# Altium PCB AVCI_Mk1.PcbDoc (part 4 of 4)
Units mm, origin at the board's own origin, x right, y up, seen from the top; angles counter-clockwise.
Board outline 166.62 x 63.88 mm, 4 copper layers (Top Layer, GND, Power, Bottom Layer), stack 1.586 mm thick; 240 components, 214 nets, 1045 pads, 618 vias.
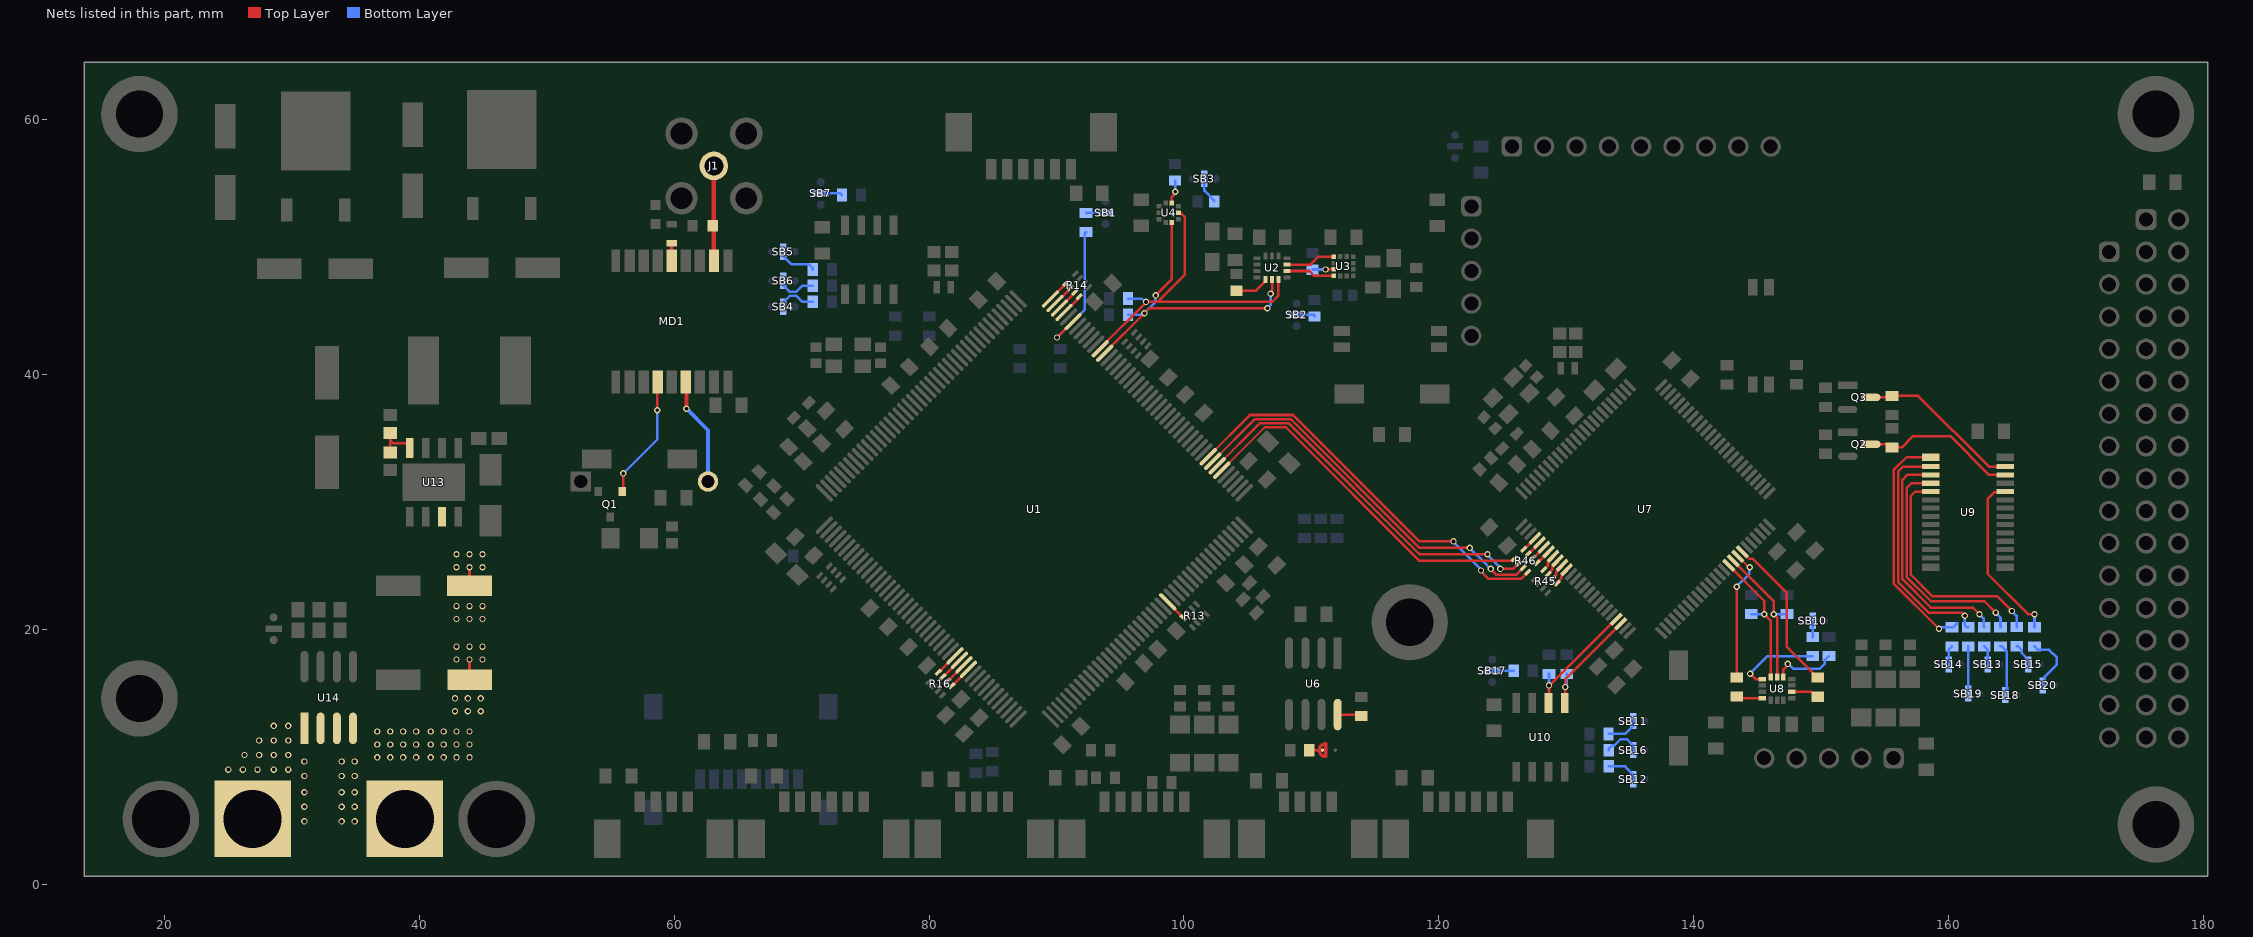
[diagram p6: the nets of this part, all layers, seen from the top]

## Via types
v1: diameter 0.5, hole 0.3, Top Layer to Bottom Layer, 609 vias
v2: diameter 0.5, hole 0.2, Top Layer to Bottom Layer, 8 vias
v3: diameter 0.5/0.5/0.5/0.5 (per signal layer), hole 0.3, Top Layer to Bottom Layer, 1 vias

## Nets (pads, with @x,y where several pads share a name; then routed paths per layer and width w, separated by ;. In a path a pad name is that pad's centre, name@x,y a point inside that pad or via, vN(x,y) a via of type N, cw(c..) or ccw(c..) an arc to the next point about the centre after c; other vN are vias at no path point) (continued)
NetR13_8: R13.8 U1.115 | length 1.8
  Top Layer w0.2: U1.115@98.73,22.181 98.73,22.155 99.936,20.949 R13.8@99.936,20.923
NetR14_5: R14.5 U1.176 | length 1.7
  Top Layer w0.2: U1.176@89.538,45.94 89.538,45.967 90.733,47.162 R14.5@90.733,47.189
NetR14_6: R14.6 U1.175 | length 1.7
  Top Layer w0.2: U1.175@89.891,45.586 90.972,46.666 90.972,46.721 R14.6@91.086,46.836
NetR14_7: R14.7 U1.174 | length 1.7
  Top Layer w0.2: U1.174@90.245,45.232 90.245,45.26 91.44,46.455 R14.7@91.44,46.482
NetR14_8: R14.8 U1.173 | length 1.7
  Top Layer w0.2: U1.173@90.598,44.879 91.679,45.959 91.679,46.014 R14.8@91.794,46.128
NetR15_1: R15.1 U1.171 | length 11
  Top Layer w0.2: v1(90.043,42.926) 90.051,42.926 91.297,44.172 U1.171@91.306,44.172
  Bottom Layer w0.2: v1(90.043,42.926) 92.229,45.112 92.229,51.093 R15.1@92.329,51.193
NetR15_2: R15.2 SB1.3 | length 1.5
  Bottom Layer w0.2: R15.2@92.329,52.693 92.341,52.705 SB1.3@93.853,52.705
NetR16_5: R16.5 U1.77 | length 1.6
  Top Layer w0.2: R16.5@81.995,15.756 81.995,15.763 83.103,16.871 U1.77@83.103,16.877
NetR16_6: R16.6 U1.76 | length 1.6
  Top Layer w0.2: R16.6@81.641,16.109 81.641,16.116 82.75,17.224 U1.76@82.75,17.231
NetR16_7: R16.7 U1.75 | length 1.6
  Top Layer w0.2: R16.7@81.288,16.463 81.288,16.47 82.396,17.578 U1.75@82.396,17.585
NetR16_8: R16.8 U1.74 | length 1.6
  Top Layer w0.2: R16.8@80.934,16.817 80.934,16.823 82.042,17.931 U1.74@82.042,17.938
NetR24_1: R24.1 U1.164 U2.13 U4.2 | length 26
  Top Layer w0.2: U1.164@93.78,41.697 93.78,41.704 96.901,44.824 v1(96.901,44.831) 97.282,45.212 v1@106.537,45.212 ; v1(97.79,46.228) 99.06,47.498 U4.2@99.06,51.943 ; v1(106.807,46.355) 106.807,46.436 106.925,46.554 106.925,47.455 U2.13@106.916,47.464
  Bottom Layer w0.2: R24.1@95.619,44.704 96.693,44.704 96.82,44.831 v1(96.901,44.831) 97.748,45.678 97.748,46.186 v1(97.79,46.228) ; v1(106.553,45.212) 106.553,45.225 106.807,45.479 v1(106.807,46.355)
NetR25_1: R25.1 U1.165 U2.14 U4.4 | length 26.7
  Top Layer w0.2: U1.165@93.427,42.051 93.427,42.078 97.028,45.679 v1(97.028,45.72) 97.947,45.72 ; U4.4@99.573,52.706 99.648,52.63 99.821,52.63 100.076,52.376 100.076,47.849 97.947,45.72 ; U2.14@107.416,47.464 107.416,46.202 106.934,45.72 97.947,45.72
  Bottom Layer w0.2: R25.1@95.619,45.974 96.693,45.974 96.947,45.72 v1(97.028,45.72)
NetR31_1: R31.1 U3.3 | length 1.7
  Top Layer w0.2: v1(111.125,48.26) 111.127,48.262 111.757,48.262 U3.3@111.759,48.264
  Bottom Layer w0.2: R31.1@110.109,48.245 110.124,48.26 v1(111.125,48.26)
NetR32_2: R32.2 U2.12 | length 2.7
  Top Layer w0.2: R32.2@104.14,46.594 105.661,46.594 106.416,47.35 U2.12@106.416,47.464
NetR33_1: R33.1 U4.6 | length 1.8
  Top Layer w0.2: U4.6@99.06,53.468 99.06,53.956 99.318,54.213 v1@99.318,54.238
  Bottom Layer w0.2: v1(99.318,54.365) R33.1@99.318,55.239
NetR34_1: R34.1 SB2.3 | length 1.4
  Bottom Layer w0.2: SB2.3@108.839,44.704 110.221,44.704 R34.1@110.236,44.689 ; R34.1@110.236,44.592 R34.1@110.251,44.577
NetR35_1: R35.1 SB3.3 | length 2.1
  Bottom Layer w0.2: SB3.3@101.604,55.381 101.614,55.37 101.614,54.444 102.381,53.677 R35.1@102.381,53.603
NetR38_1: R38.1 SB4.3 | length 3.1
  Bottom Layer w0.2: SB4.3@68.58,45.339 68.59,45.349 68.59,45.713 69.071,46.194 69.588,46.194 70.062,45.72 R38.1@70.878,45.72
NetR39_1: R39.1 SB5.3 | length 3.1
  Bottom Layer w0.2: SB5.3@68.58,49.657 68.59,49.647 68.59,49.283 69.213,48.66 70.578,48.66 70.878,48.36 R39.1@70.878,48.26
NetR40_1: R40.1 SB6.3 | length 3.1
  Bottom Layer w0.2: SB6.3@68.58,47.371 68.58,46.99 69.054,46.516 69.588,46.516 70.062,46.99 R40.1@70.878,46.99
NetR41_1: R41.1 SB7.3 | length 1.5
  Bottom Layer w0.2: SB7.3@71.755,54.229 72.579,54.229 72.581,54.227 73.039,54.227 R41.1@73.164,54.102
NetR42_1: R42.1 SB8.1 | length 0.9
  Top Layer w0.2: R42.1@109.982,10.541 110.617,10.541 SB8.1@110.871,10.541
NetR43_1: R43.1 U6.8 | length 1.9
  Top Layer w0.2: U6.8@112.07,13.334 113.805,13.334 R43.1@113.919,13.22
NetR46_1: R46.1 U1.138 | length 28.8
  Top Layer w0.2: U1.138@102.973,32.505 106.347,35.879 108.012,35.879 118.491,25.4 125.707,25.4 125.866,25.559 R46.1@125.919,25.559
NetR46_2: R46.2 U1.139 | length 30
  Top Layer w0.2: U1.139@102.619,32.858 105.96,36.199 108.2,36.199 118.485,25.914 v1(123.825,25.914) ; v1(124.841,24.765) 125.832,24.765 R46.2@126.273,25.206
  Bottom Layer w0.2: v1(123.825,25.914) 123.825,25.848 124.841,24.832 v1(124.841,24.765)
NetR46_3: R46.3 U1.140 | length 31
  Top Layer w0.2: U1.140@102.266,33.212 105.573,36.519 108.388,36.519 118.491,26.416 v1(122.428,26.416) ; v1(124.079,24.765) 124.079,24.744 124.528,24.295 126.07,24.295 R46.3@126.627,24.852
  Bottom Layer w0.2: v1(122.428,26.416) 123.542,25.302 v1(124.079,24.765)
NetR46_4: R46.4 U1.141 | length 32.1
  Top Layer w0.2: U1.141@101.912,33.565 105.186,36.839 108.576,36.839 118.491,26.924 v1(121.158,26.924) ; v1(123.317,24.638) 123.317,24.557 123.899,23.975 126.457,23.975 R46.4@126.98,24.498
  Bottom Layer w0.2: v1(121.158,26.924) 121.158,26.86 123.317,24.701 v1(123.317,24.638)
NetR46_5: R46.5 U7.32 | length 1.3
  Top Layer w0.2: R46.5@127.723,25.241 127.753,25.241 U7.32@128.618,26.105
NetR46_6: R46.6 U7.31 | length 1.3
  Top Layer w0.2: R46.6@127.369,25.594 127.4,25.594 U7.31@128.264,26.459
NetR46_7: R46.7 U7.30 | length 1.3
  Top Layer w0.2: R46.7@127.015,25.948 127.046,25.948 U7.30@127.91,26.812
NetR46_8: R46.8 U7.29 | length 1.3
  Top Layer w0.2: R46.8@126.662,26.302 126.693,26.302 U7.29@127.557,27.166
NetR48_1: R48.1 U8.4 | length 2.2
  Top Layer w0.2: R48.1@143.383,14.744 143.51,14.617 U8.4@145.386,14.617 U8.4@145.311,14.692
NetR48_2: R48.2 U7.68 | length 10.5
  Top Layer w0.2: R48.2@143.383,16.244 143.283,16.244 143.383,16.344 v1(143.383,23.368) ; U7.68@143.467,25.752 144.327,24.892 v1(144.399,24.892)
  Bottom Layer w0.2: v1(143.383,23.368) 144.357,24.342 144.357,24.85 v1(144.399,24.892)
NetR49_1: R49.1 U8.9 | length 2.2
  Top Layer w0.2: U8.9@147.711,15.117 149.248,15.117 149.633,14.732 R49.1@149.733,14.732
NetR49_2: R49.2 U7.69 | length 12.5
  Top Layer w0.2: U7.69@143.82,26.105 143.838,26.105 144.368,25.575 144.605,25.575 147.32,22.86 147.32,18.645 R49.2@149.733,16.232
NetR51_1: R51.1 U7.47 U10.6 | length 9.7
  Top Layer w0.2: U10.6@128.615,14.248 128.651,14.284 v1(128.651,15.621) 128.695,15.621 133.876,20.802 U7.47@133.921,20.802
  Bottom Layer w0.2: v1(128.651,15.621) R51.1@128.651,16.522
NetR52_1: R52.1 U7.48 U10.5 | length 9.1
  Top Layer w0.2: U10.5@129.885,14.248 129.921,14.284 v1(129.921,15.494) 129.921,16.095 U7.48@134.274,20.448
  Bottom Layer w0.2: v1(129.921,15.494) 129.921,15.575 130.048,15.702 R52.1@130.048,16.522
NetR53_1: R53.1 U7.67 U8.13 | length 11.5
  Top Layer w0.2: U7.67@143.113,25.398 146.295,22.216 v1(146.295,21.209) 146.295,21.196 146.549,20.942 U8.13@146.549,16.28
  Bottom Layer w0.2: v1@146.316,21.221 R53.1@147.32,21.221
NetR54_1: R54.1 U7.66 U8.14 | length 11.2
  Top Layer w0.2: U7.66@142.76,25.026 U7.66@142.76,25.045 145.542,22.262 v1(145.542,21.209) 146.049,20.702 U8.14@146.049,16.28
  Bottom Layer w0.2: R54.1@144.538,21.209 v1(145.542,21.209)
NetR58_1: R58.1 U8.1 | length 6.6
  Top Layer w0.2: v1(144.437,16.542) 144.859,16.12 145.384,16.12 U8.1@145.386,16.117
  Bottom Layer w0.2: v1(144.437,16.542) 144.437,16.57 145.774,17.907 149.24,17.907 149.252,17.919 R58.1@149.352,17.919
NetR58_2: R58.2 SB10.3 | length 1.2
  Bottom Layer w0.2: R58.2@149.352,19.419 SB10.3@149.352,20.601
NetR61_2: R61.2 U8.12 | length 5.1
  Top Layer w0.2: U8.12@147.049,16.28 147.049,16.881 147.394,17.226 v1(147.394,17.307)
  Bottom Layer w0.2: v1(147.394,17.307) 147.431,17.307 147.801,16.937 149.906,16.937 150.305,17.336 150.305,17.619 150.605,17.919 R61.2@150.622,17.919
NetR64_1: R64.1 SB12.3 | length 2.6
  Bottom Layer w0.2: R64.1@133.338,9.271 134.62,9.271 135.255,8.636 SB12.3@135.255,8.255
NetR65_1: R65.1 SB11.3 | length 2.6
  Bottom Layer w0.2: R65.1@133.326,11.811 134.62,11.811 135.255,12.446 SB11.3@135.255,12.827
NetR66_2: R66.2 SB14.3 | length 1.5
  Bottom Layer w0.2: SB14.3@160.02,17.272 SB14.3@160.02,17.272 R66.2@160.021,18.428 ; R66.2@160.02,18.427 R66.2@160.021,18.428 ; R66.2@160.274,18.681 R66.2@160.021,18.428
NetR67_2: R67.2 SB13.3 | length 1.5
  Bottom Layer w0.2: R67.2@162.814,18.681 163.068,18.427 SB13.3@163.068,17.272
NetR68_2: R68.2 SB15.3 | length 1.8
  Bottom Layer w0.2: R68.2@165.354,18.693 165.454,18.693 165.754,18.393 165.754,18.147 166.243,17.658 SB15.3@166.243,17.272
NetR69_1: R69.1 SB16.3 | length 2.9
  Bottom Layer w0.2: R69.1@133.338,10.541 133.338,10.641 133.638,10.941 133.811,10.941 134.266,11.396 134.781,11.396 135.255,10.922 SB16.3@135.255,10.541
NetR70_1: R70.1 SB17.3 | length 1.9
  Bottom Layer w0.2: SB17.3@123.952,16.764 SB17.3@124.206,16.764 R70.1@125.881,16.764
NetR71_2: R71.2 SB19.3 | length 3.4
  Bottom Layer w0.2: R71.2@161.543,18.68 R71.2@161.544,18.681 SB19.3@161.544,15.24
NetR72_2: R72.2 SB18.3 | length 3.7
  Bottom Layer w0.2: R72.2@164.084,18.681 164.184,18.681 164.558,18.307 164.558,16.677 164.558,15.333 SB18.3@164.465,15.24
NetR73_2: R73.2 SB20.3 | length 4.8
  Bottom Layer w0.2: R73.2@166.751,18.681 167.029,18.403 167.906,18.403 168.51,17.799 168.51,17.253 167.541,16.284 167.541,15.776 SB20.3@167.386,15.621
NetR74_1: R74.1 R75.2 U13.4 | length 4.3
  Top Layer w0.2: R75.2@37.719,33.91 37.719,34.861 ; R74.1@37.719,35.812 R74.1@37.719,35.431 37.719,34.861 ; U13.4@39.043,34.861 39.243,34.662 U13.4@39.243,34.408 ; U13.4@39.243,34.259 U13.4@39.243,34.408 ; 37.719,34.861 37.973,34.608 39.043,34.608 U13.4@39.243,34.408
NetU2_2: U2.2 U3.4 | length 3.8
  Top Layer w0.2: U2.2@108.097,48.141 109.847,48.141 110.224,47.764 U3.4@111.759,47.764
NetU2_3: U2.3 U3.1 | length 3.9
  Top Layer w0.2: U2.3@108.097,48.641 109.948,48.641 110.571,49.264 U3.1@111.759,49.264
PB0: R45.2 U7.35 | length 1.4
  Top Layer w0.2: R45.2@128.947,23.982 128.947,24.035 129.217,24.304 129.217,24.513 129.277,24.573 129.678,24.974 U7.35@129.678,25.045
PB1: R45.1 U7.36 | length 1.4
  Top Layer w0.2: R45.1@129.301,23.628 129.301,23.681 129.615,23.995 129.615,24.204 130.032,24.62 U7.36@130.032,24.691
PC4: R45.4 U7.33 | length 1.4
  Top Layer w0.2: R45.4@128.24,24.689 128.574,25.023 128.574,25.284 128.971,25.681 U7.33@128.971,25.752
PC5: R45.3 U7.34 | length 1.4
  Top Layer w0.2: R45.3@128.594,24.335 128.594,24.388 128.895,24.69 128.895,24.898 129.325,25.327 U7.34@129.325,25.398
PCA_A0: R66.1 U9.1 | length 18.8
  Top Layer w0.2: U9.1@158.61,33.535 156.725,33.535 155.702,32.512 155.702,23.622 v1(159.258,20.066)
  Bottom Layer w0.2: v1(159.258,20.066) 159.339,20.066 159.454,20.181 R66.1@160.274,20.181 160.374,20.181 R66.1@160.674,20.481
PCA_A1: R71.1 U9.2 | length 18.8
  Top Layer w0.2: U9.2@158.61,32.785 156.428,32.785 156.055,32.413 156.055,23.721 158.441,21.336 161.023,21.336 161.277,21.082 v1(161.29,21.082)
  Bottom Layer w0.2: v1(161.29,21.082) 161.29,20.335 161.444,20.181 R71.1@161.544,20.181
PCA_A2: R67.1 U9.3 | length 18.6
  Top Layer w0.2: U9.3@158.61,32.135 156.76,32.135 156.375,31.75 156.375,23.965 158.623,21.717 161.925,21.717 v1(162.433,21.209)
  Bottom Layer w0.2: v1(162.433,21.209) 162.433,21.199 162.751,20.881 162.751,20.244 R67.1@162.814,20.181
PCA_A3: R72.1 U9.4 | length 18.5
  Top Layer w0.2: U9.4@158.61,31.485 157.088,31.485 156.718,31.115 156.718,24.13 158.623,22.225 162.814,22.225 v1(163.703,21.336)
  Bottom Layer w0.2: v1(163.703,21.336) 163.703,21.32 164.084,20.939 R72.1@164.084,20.181
PCA_A4: R68.1 U9.5 | length 18.4
  Top Layer w0.2: U9.5@158.61,30.835 157.393,30.835 157.038,30.48 157.038,24.318 158.75,22.606 163.83,22.606 v1(164.973,21.463)
  Bottom Layer w0.2: v1(164.973,21.463) 164.973,21.447 165.354,21.066 R68.1@165.354,20.193
PCA_A5: R73.1 U9.24 | length 13.5
  Top Layer w0.2: U9.24@164.46,30.835 164.42,30.795 163.602,30.795 163.068,30.261 163.068,24.384 166.243,21.209 v1(166.751,21.209)
  Bottom Layer w0.2: R73.1@166.751,20.181 v1(166.751,21.209)
PCA_SCL: Q2.3 R60.1 U9.26 | length 12.3
  Top Layer w0.2: Q2.3@153.924,34.544 155.333,34.544 R60.1@155.575,34.302 156.349,34.302 157.226,35.179 160.147,35.179 163.191,32.135 U9.26@164.46,32.135
PCA_SDA: Q3.3 R63.1 U9.27 | length 12.9
  Top Layer w0.2: Q3.3@153.903,38.227 155.46,38.227 R63.1@155.575,38.342 157.619,38.342 163.176,32.785 U9.27@164.46,32.785
PPS: MD1.4 Q1.1 | length 9.8
  Top Layer w0.2: Q1.1@55.941,30.845 56.007,30.911 v1(56.007,32.258) ; v1(58.674,37.211) 58.674,39.403 MD1.4@58.717,39.446
  Bottom Layer w0.2: v1(56.007,32.258) 58.674,34.925 v1(58.674,37.211)
RF_IN: J1.1 L1.2 MD1.11 | length 7.5
  Top Layer w0.363: L1.2@63.03,51.689 63.119,51.778 J1.1@63.119,56.388 ; MD1.11@63.117,48.946 63.118,48.947 L1.2@63.118,51.689
V_BCKP: BT1.2 MD1.6 | length 8.5
  Top Layer w0.2: MD1.6@60.917,39.446 MD1.6@60.96,39.403
  Top Layer w0.3: v1(60.96,37.338) MD1.6@60.96,39.403
  Bottom Layer w0.3: v1(60.96,37.338) 62.657,35.641 BT1.2@62.657,31.623
VCC: C75.1 C76.1 J4.P U13.7 U14.3 U14.4 | length 3.1
  Top Layer w0.2: v1(43.942,17.653) 43.942,16.072 C75.1@43.948,16.066 ; C76.1@43.942,23.431 v1(43.942,24.892)
  other v1: 33.909,4.953 34.925,4.953 33.909,6.096 34.925,6.096 33.909,7.239 34.925,7.239 33.909,8.509 34.925,8.509 33.909,9.652 34.925,9.652 36.703,9.97 37.719,9.97 38.735,9.97 39.751,9.97 40.894,9.97 41.91,9.97 42.926,9.97 43.942,9.97 36.703,10.986 37.719,10.986 38.735,10.986 39.751,10.986 40.894,10.986 41.91,10.986 42.926,10.986 43.942,10.986 36.703,12.002 37.719,12.002 38.735,12.002 39.751,12.002 40.894,12.002 41.91,12.002 42.926,12.002 43.942,12.002 42.799,13.589 43.815,13.589 44.831,13.589 42.799,14.605 43.815,14.605 44.831,14.605 42.926,17.653 44.958,17.653 42.926,18.669 43.942,18.669 44.958,18.669 42.926,20.828 43.942,20.828 44.958,20.828 42.926,21.844 43.942,21.844 44.958,21.844 42.926,24.892 44.958,24.892 42.926,25.908 43.942,25.908 44.958,25.908
VCC_RF: MD1.14 R37.1 | length 1.4
  Top Layer w0.3: MD1.14@59.817,48.946 R37.1@59.817,50.304
VCC_S: J3.P U14.1 U14.2
  other v1: 30.988,4.953 30.988,6.096 30.988,7.239 30.988,8.509 25.019,9.017 26.162,9.017 27.305,9.017 28.575,9.017 29.718,9.017 30.988,9.652 26.289,10.16 27.432,10.16 28.575,10.16 29.718,10.16 27.432,11.303 28.575,11.303 29.718,11.303 28.575,12.446 29.718,12.446
pads on no net: J2.1 J2.8 MD1.5 MD1.13 MD1.15 MD1.18 P3.MP1 P3.MP2 P4.MP1 P4.MP2 P5.MP1 P5.MP2 P6.MP1 P6.MP2 P7.MP1 P7.MP2 P8.MP1 P8.MP2 P12.MP1 P12.MP2 SW1.2 U1.1 U1.2 U1.3 U1.4 U1.5 U1.7 U1.8 U1.11 U1.12 U1.13 U1.18 U1.19 U1.20 U1.21 U1.24 U1.25 U1.26 U1.27 U1.28 U1.32 U1.33 U1.34 U1.35 U1.43 U1.44 U1.45 U1.46 U1.47 U1.54 U1.55 U1.56 U1.57 U1.58 U1.59 U1.60 U1.63 U1.64 U1.65 U1.66 U1.67 U1.68 U1.69 U1.70 U1.73 U1.78 U1.83 U1.86 U1.87 U1.88 U1.89 U1.92 U1.95 U1.96 U1.97 U1.98 U1.104 U1.105 U1.106 U1.107 U1.108 U1.109 U1.110 U1.111 U1.112 U1.128 U1.129 U1.130 U1.131 U1.132 U1.133 U1.134 U1.142 U1.143 U1.144 U1.145 U1.146 U1.147 U1.150 U1.151 U1.152 U1.153 U1.154 U1.155 U1.156 U1.157 U1.167 U1.168 U2.6 U2.10 U2.11 U6.5 U7.1 U7.2 U7.3 U7.4 U7.5 U7.7 U7.15 U7.16 U7.17 U7.18 U7.23 U7.24 U7.25 U7.26 U7.38 U7.39 U7.40 U7.41 U7.42 U7.43 U7.44 U7.45 U7.46 U7.51 U7.52 U7.53 U7.54 U7.55 U7.56 U7.57 U7.58 U7.59 U7.60 U7.61 U7.62 U7.63 U7.64 U7.65 U7.70 U7.71 U7.77 U7.78 U7.79 U7.80 U7.84 U7.85 U7.86 U7.87 U7.88 U7.89 U7.90 U7.91 U7.95 U7.96 U7.97 U7.98 U8.10 U8.11 U13.2 U13.3 U13.5

## Polygon pours and split planes (outlines as drawn)
GND on Top Layer "GND_L01_P048" (solid, pour order 48): 180.086,64.262 180.086,0.889 13.716,0.889 13.716,64.262
GND on Top Layer "GND_L01_P036" (solid, pour order 36): 29.464,14.135 36.195,14.135 36.195,22.924 35.433,23.685 29.464,23.685
VCC on Top Layer "VCC_01" (solid, pour order 27): 33.147,1.968 42.164,1.968 42.164,9.207 46.101,9.207 46.101,26.162 46.101,26.607 42.164,26.607 42.164,29.781 41.402,29.781 41.402,13.652 33.147,13.652
NetC73_1 on Top Layer "NETC73_1_L01_P028" (solid, pour order 28): 46.609,37.274 45.72,37.274 45.72,44.514 49.403,44.514 49.403,26.797 42.418,26.797 42.418,29.781 46.609,29.781
+5 on Top Layer "+5_L01_P029" (solid, pour order 29): 42.672,44.767 42.672,36.258 31.047,36.258 31.047,44.767
+3V3 on Top Layer "+3V3_L01_P030" (solid, pour order 30): 51.435,63.055 51.435,56.578 22.733,56.578 22.733,63.055
GND on Top Layer "GND_L01_P031" (solid, pour order 31): 46.101,55.689 37.274,55.689 37.274,45.783 46.101,45.783
GND on Top Layer "GND_L01_P032" (solid, pour order 32): 31.369,55.562 22.098,55.562 22.098,45.276 31.369,45.276
+5 on Top Layer "+5_L01_P033" (solid, pour order 33): 51.816,54.8 51.816,45.276 46.609,45.276 46.609,54.8
+5 on Top Layer "+5_L01_P034" (solid, pour order 34): 37.084,54.292 37.084,45.276 32.131,45.276 32.131,54.292
VCC_S on Top Layer "VCC_S_L01_P043" (solid, pour order 43): 23.749,1.968 23.749,8.445 28.956,13.652 32.766,13.652 32.766,1.968
GND on Power "GND_L03_P042" (solid, pour order 42): 53.848,60.833 53.848,37.465 67.31,37.465 67.31,60.833
VCC_S on Power "VCC_S_L03_P049" (solid, pour order 49): 23.685,1.905 23.685,8.382 28.892,13.589 32.512,13.589 32.512,1.905
VCC on Power "VCC_L03_P047" (solid, pour order 47): 42.037,26.543 42.037,13.589 33.02,13.589 33.02,1.778 42.037,1.778 42.037,9.144 45.847,9.144 45.847,26.543
+5 on Power "+5_L03_P038" (solid, pour order 38): 32.004,51.752 51.816,51.752 51.816,45.148 42.672,45.148 42.291,44.767 42.291,36.258 32.004,36.258
+5 on Power "+5_L03_P040" (solid, pour order 40): 174.244,53.467 176.784,53.467 176.784,10.287 174.244,10.287
+3V3 on Power "+3V3_L03_P041" (solid, pour order 41): 22.733,63.5 51.435,63.5 51.435,56.134 22.733,56.134
GND on Bottom Layer "GND_L04_P046" (solid, pour order 46): 13.716,0.889 13.716,64.262 180.086,64.262 180.086,0.889
VCC on Bottom Layer "VCC_L04_P045" (solid, pour order 45): 33.02,1.651 33.02,13.081 44.958,13.081 44.958,9.271 42.291,9.271 42.291,1.651
VCC_S on Bottom Layer "VCC_S_L04_P044" (solid, pour order 44): 23.241,1.588 23.241,8.065 28.448,13.272 32.004,13.272 32.004,1.588
GND on GND "GND_L02_P039" (solid, pour order 39): 13.716,0.635 13.716,9.906 13.716,64.262 180.086,64.262 180.086,0.889
no net on Bottom Overlay "NONET_L-01_P-001" (solid): 150.241,45.466 158.877,45.466 158.877,42.545 150.241,42.545

## Other copper
Top Layer:
  rectangle net GND: 112.072,48.064 112.972,48.964
  pour cut-out: 39.959,29.781 39.959,27.877 38.608,27.877 38.608,29.781

## Silkscreen, mask and mechanical layers (free items; w line width, h text height)
Top Overlay:
  drawing of 141 lines, arcs and shapes, not listed
  text "+3.3" at 91.087,62.357 h0.5 r135
  text "GND" at 83.467,62.23 h0.5 r135
  text "GPIO1" at 88.293,62.23 h0.5 r135
  text "GPIO3" at 85.245,62.103 h0.5 r135
  text "GPIO2" at 86.896,62.103 h0.5 r135
  text "GPIO0" at 89.817,62.103 h0.5 r135
  text "GPS_ANT" at 64.991,61.86 h0.5 r180
  text "GND" at 145.824,60.452 h0.5 r135
  text "PWM_IN0" at 127.985,60.393 h0.5 r135
  text "PWM_IN1" at 130.525,60.393 h0.5 r135
  text "PWM_IN2" at 133.065,60.393 h0.5 r135
  text "PWM_IN3" at 135.605,60.393 h0.5 r135
  text "PWM_IN4" at 138.145,60.393 h0.5 r135
  text "PWM_IN5" at 140.685,60.393 h0.5 r135
  text "PWM_IN6" at 143.225,60.393 h0.5 r135
  text "+5/+3.3" at 125.504,60.329 h0.5 r134
  text "NAVC_GPIO" at 82.644,56.696 h1 r180
  text "+3.3" at 124.972,53.439 h0.5 r44
  text "5V ONLY!" at 173.449,51.595 h0.7 r90
  text "NAVC_SWCLK" at 125.036,51.085 h0.5 r45
  text "PWM-1" at 170.02,48.547 h0.5 r90
  text "NAVC_SWDIO" at 125.036,48.418 h0.5 r45
  text "Flight Computer Mk.1" at 150.368,47.9 h2.6
  text "Ercan INAN - 11.05.2025" at 157.607,46.484 h1.2
  text "NAVC_NRST" at 125.036,45.878 h0.5 r45
  text "GND" at 125.095,43.279 h0.5 r45
  text "FCC_BOOT0 / FCC_BOOT1" at 149.606,42.291 h0.5 r90
  text "NAVC_BOOT0 / NC" at 105.338,41.402 h0.5
  text "NAVC_NRST" at 107.348,39.359 h0.5
  text "GPS_RST" at 54.008,35.676 h0.5
  text "PPS" at 55.659,25.306 h0.5
  text "FCC" at 123.83,22.255 h2 r315
  text "NAVC" at 71.311,19.932 h2 r315
  text "FCC_L1 / FCC_L2 / FCC_L3" at 156.972,19.431 h0.5 r45
  text "<+3.3 - +5>" at 27.653,17.611 h0.5 r90
  text "NAVC_L1 / NAVC_L2 / NAVC_L3" at 103.505,15.748 h0.5 r45
  text "FCC_NRST" at 141.489,14.003 h0.5 r90
  text "+3.3" at 93.947,12.352 h0.5 r90
  text "TX" at 94.885,12.352 h0.5 r90
  text "RX" at 95.822,12.352 h0.5 r90
  text "CTS" at 96.76,12.352 h0.5 r90
  text "RTS" at 97.697,12.352 h0.5 r90
  text "GND" at 98.635,12.352 h0.5 r90
  text "ANALOG" at 55.786,10.828 h1
  text "INPUT(8-36V)" at 14.638,9.812 h1
  text "OUTPUT" at 45.372,9.812 h1
  text "PWM-16" at 170.782,9.685 h0.5 r90
  text "A1" at 60.833,9.116 h0.5 r45
  text "A0" at 59.436,8.989 h0.5 r45
  text "SDA3" at 85.979,8.989 h0.5 r45
  text "SCL3" at 84.582,8.862 h0.5 r45
  text "SCK" at 70.421,8.672 h0.5 r45
  text "MISO" at 71.691,8.672 h0.5 r45
  text "MOSI" at 73.088,8.672 h0.5 r45
  text "NSS" at 74.486,8.672 h0.5 r45
  text "GND" at 76.01,8.672 h0.5 r45
  text "GND" at 61.849,8.608 h0.5 r45
  text "+3.3" at 68.834,8.481 h0.5 r45
  text "GND" at 86.995,8.481 h0.5 r45
  text "+3.3" at 57.404,8.354 h0.5 r45
  text "+3.3" at 82.677,8.354 h0.5 r45
  text "CANL" at 109.982,8.354 h0.5 r45
  text "+3.3" at 108.521,8.164 h0.5 r45
  text "CANH" at 111.188,8.164 h0.5 r45
  text "GND" at 112.395,7.973 h0.5 r45
  text "+5V" at 171.069,7.973 h0.5 r45
  text "+3.3" at 155.928,7.489 h0.5 r314
  text "FCC_NRST" at 148.367,7.425 h0.5 r315
  text "FCC_SWDIO" at 150.907,7.425 h0.5 r315
  text "FCC_SWCLK" at 153.574,7.425 h0.5 r315
  text "GND" at 145.768,7.366 h0.5 r315
  text "GND" at 171.704,6.957 h0.5 r45
  text "FCC_GPIO" at 127.033,6.55 h1
  text "UART" at 100.871,6.51 h1
  text "CAN" at 113.063,6.51 h1
  text "SPI" at 75.852,6.383 h1
  text "I2C" at 87.028,6.383 h1
  text "NAVC" at 52.799,2.192 h1 r90
Bottom Overlay:
  drawing of 17 lines, arcs and shapes, not listed
  text "BARO_ADDR_SEL" at 104.742,58.155 h0.5
  text "<+5 / <+3.3" at 119.761,56.896 h0.5
  text "NAVC_EEPROM" at 73.246,56.504 h0.5
  text "<0 / <1" at 100.711,56.261 h0.5 r270
  text "<WP_EN" at 70.452,53.329 h0.5
  text "ADDR SEL" at 69.944,52.103 h0.5
  text "PDR_ON" at 89.629,51.932 h0.5
  text "<0 / <1" at 91.44,50.927 h0.5
  text "<0 / <1" at 67.564,50.419 h0.5 r270
  text "A2" at 67.023,49.436 h0.5
  text "Flight Computer Mk.1" at 165.735,47.9 h2.6
  text "A1" at 67.023,47.15 h0.5
  text "Ercan INAN - 11.05.2025" at 158.496,46.484 h1.2
  text "A0" at 67.023,45.118 h0.5
  text "<0 / <1" at 108.077,44.196 h0.5
  text "IMU_ADDR_SEL" at 110.33,42.153 h0.5
  text "GYRO_ADDR_SEL" at 156.05,24.119 h0.5
  text "PCA_ADDR_SEL" at 166.21,22.849 h0.5
  text "<1 / <0" at 148.463,22.098 h0.5 r270
  text "FCC_EEPROM" at 126.713,18.912 h0.5
  text "<WP_EN" at 123.284,15.61 h0.5
  text "<1 / <0" at 168.208,14.307 h0.5 r90
  text "A2" at 136.492,13.749 h0.5
  text "A0" at 160.876,12.987 h0.5
  text "A2" at 163.035,12.987 h0.5
  text "A4" at 165.448,12.987 h0.5
  text "A1" at 161.511,12.098 h0.5
  text "A3" at 163.797,12.098 h0.5
  text "A5" at 166.21,12.098 h0.5
  text "A1^" at 138.016,8.415 h0.5
  text "A0" at 137.635,7.526 h0.5
  text "<0 / <1" at 136.271,7.366 h0.5 r90
  text "ADDR SEL" at 137.254,5.494 h0.5

## Text inside footprints (layer, text, board x,y; h text height)
C74: Top Overlay "+" at 33.266,42.54 h1.22 r90
C75: Top Overlay "+" at 45.984,15.551 h1.2
C76: Top Overlay "+" at 45.978,22.917 h1.2
C77: Top Overlay "+" at 51.332,47.887 h1.22
C78: Top Overlay "+" at 39.997,61.683 h1.22 r90
C79: Top Overlay "+" at 36.674,47.824 h1.22
C80: Top Overlay "+" at 25.265,61.556 h1.22 r90
SW1: Top Component Outline "ON" at 117.805,44.234 h0.89 r270; Top Overlay "ON" at 117.805,44.234 h0.89 r270
SW4: Top Component Outline "ON" at 143.853,44.653 h0.89; Top Overlay "ON" at 143.853,44.653 h0.89
U2: Top 3D Body "*" at 107.361,48.276 h1.27 r180